# KiCad board pi60_v1.1.kicad_pcb (continued)
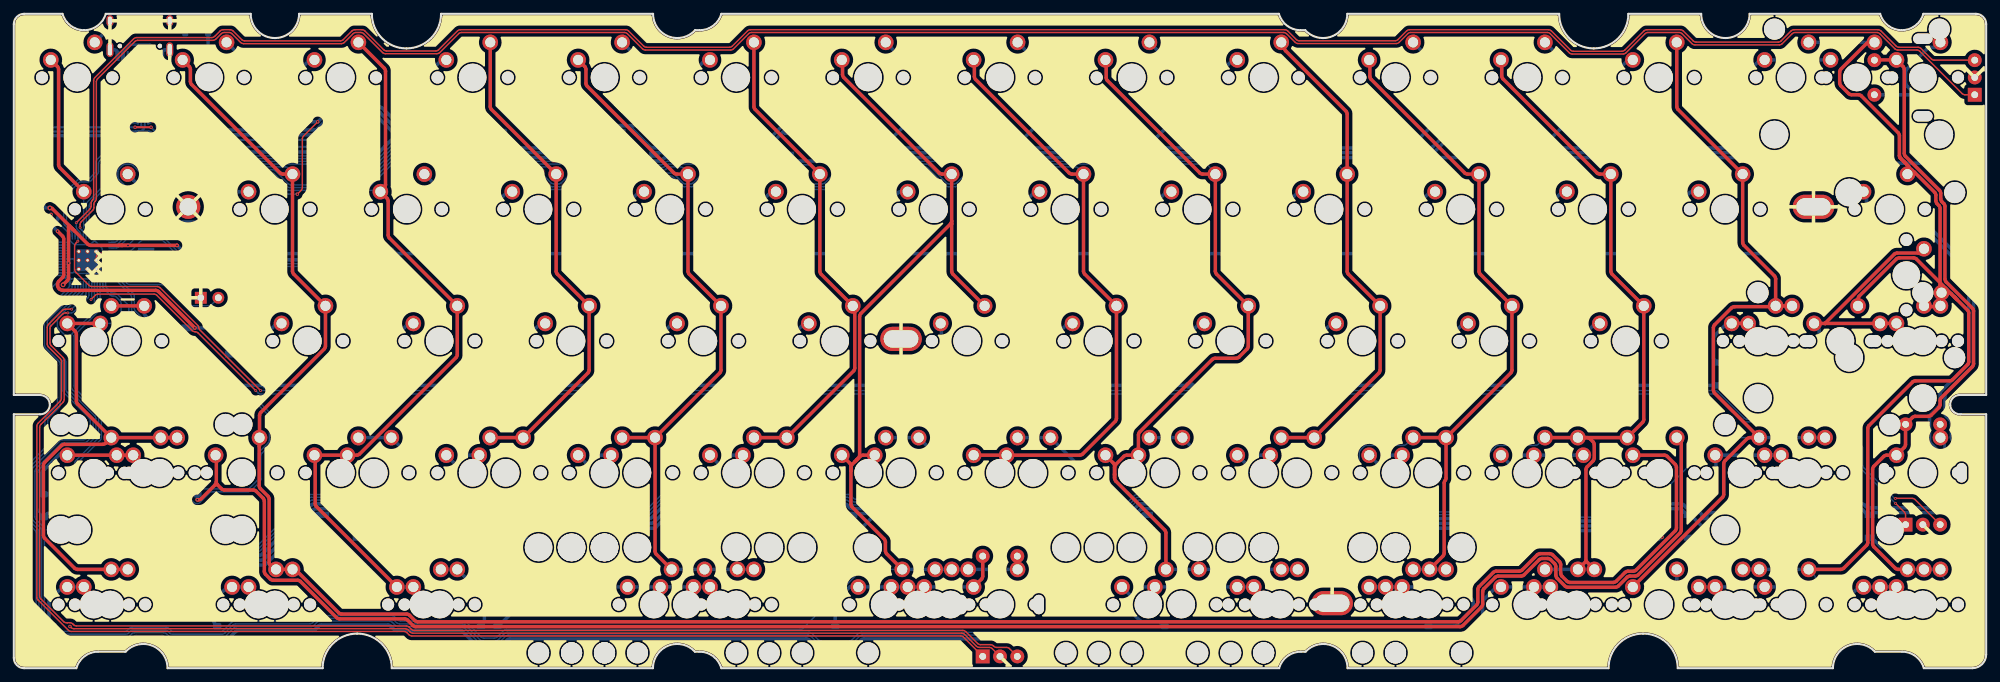
[diagram p0: board, top side]
## Routing (per net, layer and track width the routed paths; a pad name or vN(x,y) marks a point on that pad's centre or on a via; arc(x,y) is an arc through that point) (continued)
/QSPI_SD2: length 7.4
  Bottom w0.2: U2.3 2.93,64.66 arc(2.93,64.67) 2.94,64.69 arc(2.95,64.7) 2.97,64.7 3.7,64.7 arc(3.84,64.64) 3.9,64.5 3.9,63.15 arc(3.94,62.94) 4.06,62.77 5.9,60.93 arc(6.08,60.81) 6.29,60.77 U1.54
/QSPI_SD3: length 5.9
  Bottom w0.2: U1.51 5.79,59.57 arc(5.58,59.61) 5.41,59.73 4.52,60.61 arc(4.35,60.73) 4.14,60.77 3.08,60.77 arc(2.87,60.81) 2.69,60.93 2.59,61.04 arc(2.47,61.21) 2.43,61.42 U2.7
/QSPI_SS: length 8.8
  Bottom w0.2: U1.56 6.62,61.57 arc(6.41,61.61) 6.23,61.73 4.86,63.1 arc(4.74,63.27) 4.7,63.48 4.7,64.8 arc(4.66,65.01) 4.54,65.19 4.39,65.34 arc(4.21,65.46) 4.01,65.5 2.85,65.5 arc(2.64,65.46) 2.46,65.34 2.09,64.96 arc(1.97,64.79) 1.93,64.58 U2.1
/RUN: length 17.8
  Bottom w0.2: U1.26 14.59,57.17 arc(14.8,57.12) 14.97,57.01 16.37,55.61 arc(16.55,55.49) 16.76,55.45 21.52,55.45 arc(21.72,55.41) 21.9,55.29 24.63,52.56 arc(24.81,52.44) 25.02,52.4 28.18,52.4 arc(28.38,52.44) 28.56,52.56 J3.2
/SCL: length 38.7
  Bottom w0.2: 19.44,61.85 19.3,61.85 ; 19.44,61.85 19.69,61.85 ; 19.44,61.85 arc(19.43,61.85) 19.43,61.85 ; 49.23,55.33 46.64,57.92 arc(46.47,58.03) 46.26,58.08 25.51,58.08 arc(25.3,58.12) 25.13,58.23 21.94,61.42 arc(21.94,61.42) 21.94,61.42 arc(21.94,61.42) 21.94,61.42 21.67,61.69 arc(21.5,61.8) 21.29,61.85 19.69,61.85 ; 19.69,61.85 19.43,61.85 ; 19.43,61.85 18.67,61.85 arc(18.46,61.8) 18.29,61.69 17.13,60.53 arc(16.95,60.41) 16.74,60.37 U1.18
/SDA: length 40.5
  Bottom w0.2: 19.64,63.6 19.17,63.6 ; 19.64,63.6 19.96,63.6 ; 19.64,63.6 arc(19.58,63.6) 19.52,63.6 ; 19.17,63.6 19.52,63.6 ; 19.17,63.6 18.1,63.6 arc(17.89,63.56) 17.71,63.44 15.19,60.93 arc(15.02,60.81) 14.81,60.77 U1.17 ; 19.52,63.6 20.32,63.6 25.29,58.63 arc(25.47,58.52) 25.68,58.47 46.62,58.47 arc(46.83,58.43) 47.01,58.32 48.84,56.49 arc(49.01,56.37) 49.22,56.33 J1.3
/XIN: length 4.5
  Bottom w0.2: 18.15,60.57 17.3,59.73 arc(17.12,59.61) 16.91,59.57 U1.20
/XOUT: length 4.4
  Bottom w0.2: 18.15,58.17 17.32,59.01 arc(17.14,59.12) 16.93,59.17 U1.21
B_1: length 319.9
  Top w0.5: 121.86,30.19 122.06,30.38 arc(122.17,30.56) 122.22,30.77 122.22,50.87 arc(122.26,51.08) 122.37,51.25 135.36,64.24 ; 121.86,30.19 121.53,29.86 ; 121.86,30.19 arc(121.82,30.15) 121.78,30.11 ; 120.96,28.54 120.96,28.89 ; 120.96,28.54 120.96,23.7 arc(121,23.49) 121.12,23.32 125.78,18.65 arc(125.9,18.47) 125.94,18.26 125.94,16.93 arc(125.99,16.72) 126.1,16.55 K92.2 ; 120.96,28.54 120.96,29.01 ; 120.96,28.89 120.96,29.06 arc(121,29.27) 121.12,29.44 121.53,29.86 ; 120.96,28.89 arc(120.96,28.95) 120.96,29.01 ; 135.36,64.24 arc(135.46,64.28) 135.52,64.23 ; 135.36,64.24 arc(135.47,64.41) 135.52,64.63 ; 121.53,29.86 121.78,30.11 ; K57.1 122.69,30.79 arc(122.48,30.75) 122.3,30.63 121.78,30.11 ; 135.52,64.23 135.52,57.37 arc(135.56,57.16) 135.68,56.98 K38.2 ; 135.52,64.23 135.52,64.63 ; 135.52,64.63 K23.2 134.12,71.43 arc(133.91,71.47) 133.74,71.59 119.9,85.42 arc(119.79,85.6) 119.75,85.8 119.75,87.84 ; 120.96,29.01 120.96,29.25 arc(120.92,29.46) 120.8,29.63 K105.1
  Bottom w0.2: K92.2 122.77,14.28 arc(122.56,14.24) 122.39,14.12 114.01,5.75 arc(113.84,5.63) 113.63,5.59 71.14,5.59 arc(70.93,5.55) 70.75,5.43 69.82,4.5 arc(69.64,4.38) 69.43,4.34 67.92,4.34 arc(67.71,4.38) 67.53,4.5 65.38,6.65 arc(65.2,6.77) 65,6.81 55.87,6.81 arc(55.66,6.85) 55.48,6.97 55.01,7.44 arc(54.83,7.56) 54.62,7.6 43.86,7.6 arc(43.65,7.56) 43.47,7.44 43,6.97 arc(42.83,6.85) 42.62,6.81 31.88,6.81 arc(31.67,6.77) 31.49,6.65 30.31,5.47 arc(30.13,5.35) 29.93,5.31 23.07,5.31 arc(22.86,5.35) 22.68,5.47 22.38,5.76 arc(22.21,5.88) 22,5.92 17.09,5.92 arc(16.89,5.88) 16.71,5.76 16.41,5.47 arc(16.23,5.35) 16.03,5.31 4.72,5.31 arc(4.61,5.33) 4.51,5.39 arc(4.45,5.49) 4.43,5.61 4.43,20.05 arc(4.38,20.26) 4.27,20.43 3.21,21.5 arc(3.09,21.67) 3.05,21.88 3.05,28.47 arc(3.09,28.68) 3.21,28.85 6.81,32.46 arc(6.98,32.57) 7.19,32.61 10.21,32.61 arc(10.41,32.66) 10.59,32.77 11.29,33.47 arc(11.41,33.65) 11.45,33.86 11.45,35.93 arc(11.41,36.14) 11.29,36.31 7.66,39.94 arc(7.55,40.11) 7.51,40.32 7.51,44.29 arc(7.46,44.5) 7.35,44.67 5.39,46.63 arc(5.27,46.81) 5.23,47.02 5.23,49.83 arc(5.27,50.04) 5.39,50.22 9.49,54.32 arc(9.61,54.5) 9.65,54.71 U1.38
  Bottom w0.5: 145.04,16.16 K79.2 K92.2
B_2: length 14.7
  Bottom w0.5: D50.2 134.51,25.48 arc(134.63,25.66) 134.67,25.86 134.67,29.19 arc(134.63,29.4) 134.51,29.57 K57.2 K105.2
Backspace1: length 16.2
  Bottom w0.5: 252.32,87.94 250.51,86.13 arc(250.39,85.95) 250.35,85.74 250.35,83.01 arc(250.39,82.81) 250.51,82.63 D14.2 ; K15.1 K14.1
C0: length 27.6
  Top w0.5: K1.1 6.31,86.97 arc(6.42,86.8) 6.47,86.59 6.47,72.75 arc(6.51,72.54) 6.63,72.37 K17.1
  Bottom w0.2: 10.09,68.88 10.09,63.86 arc(10.13,63.65) 10.25,63.47 10.29,63.43 arc(10.41,63.25) 10.45,63.04 U1.7
C1: length 364.9
  Top w0.5: K2.1 25.36,86.97 arc(25.47,86.8) 25.52,86.59 25.52,84.78 arc(25.56,84.58) 25.68,84.4 38.49,71.59 arc(38.66,71.47) 38.87,71.43 K18.2 40.27,57.37 arc(40.31,57.16) 40.43,56.98 K33.2 45.03,46.54 arc(44.99,46.33) 44.87,46.15 35.66,36.95 arc(35.54,36.77) 35.5,36.56 K52.2 35.5,32.19 arc(35.5,32.16) 35.48,32.13 arc(35.46,32.11) 35.46,32.08 35.46,26.35 arc(35.5,26.14) 35.62,25.96 36.74,24.84 arc(36.85,24.67) 36.9,24.46 36.9,15.23 arc(36.94,15.02) 37.06,14.85 37.53,14.37 arc(37.63,14.3) 37.75,14.28 40.46,14.28 arc(40.65,14.24) 40.8,14.14 46.96,7.98 arc(47.13,7.87) 47.34,7.82 56.78,7.82 arc(56.99,7.78) 57.16,7.67 57.96,6.87 arc(58.14,6.75) 58.35,6.71 208.72,6.71 arc(208.93,6.75) 209.1,6.87 211.39,9.15 arc(211.5,9.33) 211.55,9.53 211.55,11.39 arc(211.59,11.59) 211.71,11.77 213.79,13.86 arc(213.97,13.97) 214.17,14.01 217.53,14.01 arc(217.74,14.06) 217.92,14.17 220.14,16.4 arc(220.32,16.51) 220.52,16.55 221.96,16.55 arc(222.17,16.51) 222.34,16.4 223.36,15.38 arc(223.47,15.2) 223.52,15 223.52,13.71 arc(223.56,13.5) 223.68,13.33 224.45,12.55 arc(224.62,12.44) 224.83,12.39 231.15,12.39 arc(231.36,12.44) 231.54,12.55 232.84,13.86 arc(233.02,13.97) 233.22,14.01 234.01,14.01 arc(234.22,14.06) 234.4,14.17 240.09,19.86 arc(240.2,20.04) 240.24,20.25 240.24,29.06 arc(240.2,29.27) 240.09,29.44 238.9,30.63 arc(238.72,30.75) 238.51,30.79 K112.1
  Bottom w0.2: 40.27,71.68 39.63,72.32 arc(39.46,72.44) 39.25,72.48 30.05,72.48 arc(29.84,72.44) 29.67,72.32 28.29,70.94 arc(28.11,70.82) 27.9,70.78 21.61,70.78 arc(21.4,70.82) 21.22,70.94 17.86,74.29 arc(17.69,74.41) 17.48,74.45 15.43,74.45 arc(15.22,74.41) 15.04,74.29 13.59,72.84 arc(13.47,72.66) 13.43,72.46 13.43,70.37 arc(13.47,70.16) 13.59,69.99 16.1,67.48 arc(16.22,67.3) 16.26,67.1 16.26,65.6 arc(16.22,65.4) 16.1,65.22 14.98,64.1 arc(14.8,63.98) 14.59,63.94 12.91,63.94 arc(12.7,63.9) 12.52,63.78 12.21,63.47 arc(12.09,63.29) 12.05,63.08 U1.11
C2: length 160.2
  Top w0.5: K70.1 43.71,23.38 arc(43.59,23.56) 43.55,23.77 43.55,30.61 arc(43.53,30.68) 43.49,30.74 arc(43.49,30.77) 43.52,30.79 K53.1 49.56,30.79 arc(49.77,30.83) 49.95,30.95 63.92,44.92 arc(64.04,45.1) 64.08,45.31 K34.2 54.25,62.21 arc(54.13,62.38) 54.09,62.59 54.09,67.54 arc(54.05,67.75) 53.93,67.92 53.11,68.75 arc(53.05,68.89) 53.11,69.03 53.55,69.47 arc(53.66,69.65) 53.71,69.85 53.71,86.34 arc(53.66,86.55) 53.55,86.72 K3.2
  Bottom w0.2: U1.14 13.25,62.09 arc(13.26,62.04) 13.29,62 arc(13.33,61.98) 13.38,61.97 14.31,61.97 arc(14.52,62.01) 14.7,62.13 17.3,64.72 arc(17.41,64.9) 17.46,65.11 17.46,67.59 arc(17.41,67.8) 17.3,67.98 14.79,70.48 arc(14.67,70.66) 14.63,70.87 14.63,71.96 arc(14.67,72.17) 14.79,72.34 15.54,73.09 arc(15.71,73.21) 15.92,73.25 16.98,73.25 arc(17.19,73.21) 17.37,73.09 20.72,69.74 arc(20.9,69.62) 21.11,69.58 28.4,69.58 arc(28.61,69.62) 28.78,69.74 30.16,71.12 arc(30.34,71.24) 30.55,71.28 37.05,71.28 arc(37.26,71.24) 37.43,71.12 39.31,69.24 arc(39.49,69.12) 39.7,69.08 52.78,69.08
  Bottom w0.5: K78.1 K70.1
C3: length 157.1
  Top w0.5: K102.2 K54.2 82.97,42.7 arc(83.09,42.87) 83.13,43.08 83.13,52.38 78.53,56.98 arc(78.41,57.16) 78.37,57.37 K20.2 69,80.8 arc(68.88,80.97) 68.84,81.18 K4.2
  Bottom w0.2: 78.37,71.47 77.52,72.32 arc(77.34,72.44) 77.13,72.48 72.76,72.48 arc(72.55,72.44) 72.38,72.32 72.19,72.14 arc(72.02,72.02) 71.81,71.98 65.34,71.98 arc(65.13,72.02) 64.95,72.14 61.57,75.52 arc(61.4,75.64) 61.19,75.68 56,75.68 arc(55.79,75.64) 55.62,75.52 50.93,70.84 arc(50.76,70.72) 50.55,70.68 45.53,70.68 arc(45.32,70.72) 45.15,70.84 42.87,73.12 arc(42.69,73.23) 42.48,73.28 29.72,73.28 arc(29.51,73.23) 29.34,73.12 27.96,71.74 arc(27.78,71.62) 27.57,71.58 21.94,71.58 arc(21.73,71.62) 21.55,71.74 18.2,75.09 arc(18.02,75.21) 17.81,75.25 15.1,75.25 arc(14.89,75.21) 14.71,75.09 12.79,73.17 arc(12.67,73) 12.63,72.79 12.63,69.63 arc(12.59,69.42) 12.47,69.24 10.65,67.42 arc(10.53,67.24) 10.49,67.03 10.49,64.02 arc(10.53,63.81) 10.65,63.64 10.69,63.59 arc(10.81,63.42) 10.85,63.21 U1.8
C4: length 210.6
  Top w0.5: K5.1 82.51,86.97 arc(82.62,86.8) 82.67,86.59 82.67,84.55 arc(82.71,84.34) 82.83,84.17 95.4,71.59 arc(95.58,71.47) 95.79,71.43 K21.2 97.42,57.37 arc(97.46,57.16) 97.58,56.98 K36.2 102.18,43.08 arc(102.14,42.87) 102.02,42.7 K55.2 ; K55.2 K103.2 ; K55.2 92.65,16.89 arc(92.69,16.68) 92.81,16.5 K91.2
  Bottom w0.2: U1.9 11.25,63.37 arc(11.21,63.58) 11.09,63.76 11.05,63.8 arc(10.93,63.98) 10.89,64.19 10.89,66.87 arc(10.93,67.08) 11.05,67.25 12.87,69.08 arc(12.99,69.26) 13.03,69.46 13.03,72.62 arc(13.07,72.83) 13.19,73.01 14.88,74.69 arc(15.05,74.81) 15.26,74.85 17.65,74.85 arc(17.85,74.81) 18.03,74.69 21.39,71.34 arc(21.56,71.22) 21.77,71.18 27.74,71.18 arc(27.95,71.22) 28.12,71.34 29.5,72.72 arc(29.68,72.83) 29.89,72.88 42.32,72.88 arc(42.53,72.83) 42.7,72.72 44.98,70.44 arc(45.16,70.32) 45.37,70.28 50.71,70.28 arc(50.92,70.32) 51.1,70.44 55.78,75.12 arc(55.96,75.24) 56.17,75.28 61.02,75.28 arc(61.23,75.24) 61.41,75.12 64.79,71.74 arc(64.97,71.62) 65.17,71.58 71.97,71.58 arc(72.18,71.62) 72.36,71.74 72.54,71.92 arc(72.72,72.04) 72.93,72.08 75.48,72.08 arc(75.69,72.04) 75.86,71.92 77.62,70.16 arc(77.79,70.05) 78,70.01 78.73,70.01 arc(78.94,70.05) 79.12,70.16 81.27,72.32 arc(81.44,72.44) 81.65,72.48 87.33,72.48 arc(87.54,72.44) 87.71,72.32 87.89,72.14 arc(88.07,72.02) 88.28,71.98 93.85,71.98 arc(94.06,72.02) 94.23,72.14 94.42,72.32 arc(94.59,72.44) 94.8,72.48 96.33,72.48 arc(96.54,72.44) 96.72,72.32 97.42,71.62
  Bottom w0.5: K91.2 K95.2 K97.2
C5: length 199.6
  Top w0.5: K104.2 K56.2 121.36,42.98 arc(121.47,43.16) 121.52,43.37 121.52,51.89 arc(121.48,52.08) 121.37,52.24 116.63,56.98 arc(116.51,57.16) 116.47,57.37 K22.2 107.1,80.8 arc(106.98,80.97) 106.94,81.18 K6.2
  Bottom w0.2: K22.2 115.28,72.62 arc(115.1,72.73) 114.89,72.78 112.95,72.78 arc(112.74,72.82) 112.56,72.94 112.38,73.12 arc(112.21,73.23) 112,73.28 94.47,73.28 arc(94.26,73.23) 94.08,73.12 93.9,72.94 arc(93.73,72.82) 93.52,72.78 88.61,72.78 arc(88.4,72.82) 88.23,72.94 88.04,73.12 arc(87.87,73.23) 87.66,73.28 72.43,73.28 arc(72.22,73.23) 72.04,73.12 71.86,72.94 arc(71.69,72.82) 71.48,72.78 65.67,72.78 arc(65.46,72.82) 65.29,72.94 61.9,76.32 arc(61.73,76.43) 61.52,76.48 55.67,76.48 arc(55.46,76.43) 55.28,76.32 50.6,71.64 arc(50.43,71.52) 50.22,71.48 45.86,71.48 arc(45.66,71.52) 45.48,71.64 43.2,73.92 arc(43.02,74.03) 42.81,74.07 29.39,74.07 arc(29.18,74.03) 29.01,73.92 27.63,72.53 arc(27.45,72.42) 27.24,72.38 22.27,72.38 arc(22.06,72.42) 21.88,72.53 18.53,75.89 arc(18.35,76.01) 18.14,76.05 14.76,76.05 arc(14.56,76.01) 14.38,75.89 11.99,73.5 arc(11.87,73.33) 11.83,73.12 11.83,71.94 arc(11.79,71.73) 11.67,71.56 10.99,70.87 arc(10.81,70.76) 10.6,70.71 9.57,70.71 arc(9.36,70.67) 9.19,70.55 7.37,68.73 arc(7.25,68.56) 7.21,68.35 7.21,64.41 arc(7.25,64.2) 7.37,64.03 8.29,63.1 arc(8.41,62.93) 8.45,62.72 U1.2
C7: length 254.3
  Top w0.5: 138.8,87.84 138.8,85.52 arc(138.84,85.31) 138.95,85.14 152.5,71.59 arc(152.68,71.47) 152.89,71.43 K24.2 154.57,57.37 arc(154.61,57.16) 154.73,56.98 K39.2 159.33,36.08 arc(159.29,35.87) 159.17,35.69 154.43,30.95 arc(154.25,30.83) 154.04,30.79 K58.1 K106.1
  Bottom w0.2: 154.57,71.53 153.78,72.32 arc(153.61,72.44) 153.4,72.48 142.94,72.48 arc(142.73,72.44) 142.56,72.32 142.37,72.14 arc(142.2,72.02) 141.99,71.98 138.87,71.98 arc(138.66,71.94) 138.48,71.82 136.43,69.77 arc(136.25,69.65) 136.05,69.61 134.99,69.61 arc(134.78,69.65) 134.6,69.77 132.05,72.32 arc(131.87,72.44) 131.66,72.48 120.88,72.48 arc(120.67,72.44) 120.5,72.32 117.55,69.37 arc(117.37,69.25) 117.16,69.21 114.82,69.21 arc(114.62,69.25) 114.44,69.37 111.89,71.92 arc(111.71,72.04) 111.5,72.08 100.87,72.08 arc(100.66,72.04) 100.48,71.92 98.33,69.77 arc(98.15,69.65) 97.95,69.61 96.89,69.61 arc(96.68,69.65) 96.5,69.77 95.25,71.02 arc(95.07,71.14) 94.86,71.18 87.95,71.18 arc(87.74,71.22) 87.56,71.34 87.38,71.52 arc(87.21,71.64) 87,71.68 81.98,71.68 arc(81.78,71.64) 81.6,71.52 79.45,69.37 arc(79.27,69.25) 79.06,69.21 77.67,69.21 arc(77.46,69.25) 77.29,69.37 75.53,71.12 arc(75.36,71.24) 75.15,71.28 73.26,71.28 arc(73.05,71.24) 72.87,71.12 72.69,70.94 arc(72.51,70.82) 72.31,70.78 64.84,70.78 arc(64.63,70.82) 64.46,70.94 61.08,74.32 arc(60.9,74.44) 60.69,74.48 56.5,74.48 arc(56.29,74.44) 56.11,74.32 51.43,69.64 arc(51.25,69.52) 51.05,69.48 39.86,69.48 arc(39.66,69.52) 39.48,69.64 37.6,71.52 arc(37.42,71.64) 37.21,71.68 30.38,71.68 arc(30.18,71.64) 30,71.52 28.62,70.14 arc(28.44,70.02) 28.23,69.98 21.27,69.98 arc(21.07,70.02) 20.89,70.14 17.53,73.49 arc(17.36,73.61) 17.15,73.65 15.76,73.65 arc(15.55,73.61) 15.37,73.49 14.39,72.51 arc(14.27,72.33) 14.23,72.13 14.23,70.7 arc(14.27,70.49) 14.39,70.32 16.9,67.81 arc(17.01,67.63) 17.06,67.43 17.06,65.27 arc(17.01,65.07) 16.9,64.89 15.31,63.3 arc(15.13,63.18) 14.92,63.14 13.14,63.14 arc(13.03,63.12) 12.94,63.06 arc(12.87,62.96) 12.85,62.85 U1.13
C8: length 310.4
  Top w0.5: 157.85,87.84 157.85,85.35 arc(157.89,85.14) 158,84.97 171.38,71.59 arc(171.56,71.47) 171.77,71.43 K25.2 173.62,57.37 arc(173.66,57.16) 173.78,56.98 K40.2 178.38,46.54 arc(178.34,46.33) 178.22,46.15 177.03,44.97 arc(176.85,44.85) 176.65,44.81 173.57,44.81 arc(173.36,44.76) 173.18,44.65 162.66,34.13 arc(162.54,33.95) 162.5,33.74 K59.1 160.79,30.79 arc(160.58,30.75) 160.4,30.63 159.22,29.44 arc(159.1,29.27) 159.06,29.06 159.06,28.05 ; K107.1 158.9,29.63 arc(159.02,29.46) 159.06,29.25 159.06,27.93 ; 159.06,27.58 159.06,27.44 arc(159.1,27.23) 159.22,27.06 166.31,19.96 arc(166.43,19.78) 166.47,19.58 K93.2 ; 159.06,27.58 159.06,28.05 ; 159.06,27.58 159.06,27.93 ; 159.06,27.93 arc(159.06,27.99) 159.06,28.05
  Bottom w0.2: U1.12 12.45,62.92 arc(12.49,63.13) 12.61,63.3 12.69,63.38 arc(12.86,63.5) 13.07,63.54 14.76,63.54 arc(14.97,63.58) 15.14,63.7 16.5,65.05 arc(16.61,65.23) 16.66,65.44 16.66,67.26 arc(16.61,67.47) 16.5,67.65 13.99,70.15 arc(13.87,70.33) 13.83,70.54 13.83,72.29 arc(13.87,72.5) 13.99,72.68 15.21,73.89 arc(15.38,74.01) 15.59,74.05 17.31,74.05 arc(17.52,74.01) 17.7,73.89 21.06,70.54 arc(21.23,70.42) 21.44,70.38 28.07,70.38 arc(28.28,70.42) 28.45,70.54 29.83,71.92 arc(30.01,72.04) 30.22,72.08 37.38,72.08 arc(37.59,72.04) 37.76,71.92 39.64,70.04 arc(39.82,69.92) 40.03,69.88 50.88,69.88 arc(51.09,69.92) 51.27,70.04 55.95,74.72 arc(56.12,74.84) 56.33,74.88 60.86,74.88 arc(61.07,74.84) 61.24,74.72 64.62,71.34 arc(64.8,71.22) 65.01,71.18 72.14,71.18 arc(72.35,71.22) 72.53,71.34 72.71,71.52 arc(72.88,71.64) 73.09,71.68 75.31,71.68 arc(75.52,71.64) 75.7,71.52 77.45,69.77 arc(77.63,69.65) 77.84,69.61 78.9,69.61 arc(79.1,69.65) 79.28,69.77 81.43,71.92 arc(81.61,72.04) 81.82,72.08 87.16,72.08 arc(87.37,72.04) 87.55,71.92 87.73,71.74 arc(87.91,71.62) 88.11,71.58 95.03,71.58 arc(95.24,71.54) 95.41,71.42 96.67,70.16 arc(96.84,70.05) 97.05,70.01 97.78,70.01 arc(97.99,70.05) 98.17,70.16 100.32,72.32 arc(100.49,72.44) 100.7,72.48 111.67,72.48 arc(111.88,72.44) 112.05,72.32 114.6,69.77 arc(114.78,69.65) 114.99,69.61 117,69.61 arc(117.2,69.65) 117.38,69.77 120.33,72.72 arc(120.51,72.83) 120.72,72.88 131.83,72.88 arc(132.04,72.83) 132.21,72.72 134.77,70.16 arc(134.94,70.05) 135.15,70.01 135.88,70.01 arc(136.09,70.05) 136.27,70.16 138.32,72.22 arc(138.49,72.33) 138.7,72.38 141.82,72.38 arc(142.03,72.42) 142.21,72.54 142.39,72.72 arc(142.57,72.83) 142.77,72.88 157.08,72.88 arc(157.29,72.83) 157.46,72.72 157.64,72.54 arc(157.82,72.42) 158.03,72.38 163.25,72.38 arc(163.46,72.42) 163.64,72.54 163.82,72.72 arc(164,72.83) 164.2,72.88 172.13,72.88 arc(172.34,72.83) 172.51,72.72 173.62,71.61
  Bottom w0.5: K93.2 K85.2 K99.2 K96.2
C11: length 382
  Top w0.5: K62.2 K110.2 ; K62.2 K63.2 235.37,35.55 arc(235.49,35.73) 235.53,35.94 K43.2 230.93,56.98 arc(230.81,57.16) 230.77,57.37 K28.2 229.17,71.43 arc(228.96,71.47) 228.78,71.59 215.15,85.22 arc(215.04,85.39) 215,85.6 215,87.84 ; K62.2 227.37,33.33 arc(227.58,33.29) 227.75,33.17 228.21,32.71 arc(228.33,32.53) 228.37,32.33 228.37,30.36 arc(228.33,30.15) 228.21,29.98 227.33,29.09 arc(227.21,28.92) 227.17,28.71 227.17,15.52 ; K80.2 227.15,15.43 arc(227.16,15.45) 227.17,15.47 ; 227.17,15.52 227.17,15.47 ; 227.17,15.52 arc(227.17,15.5) 227.19,15.48 ; 227.19,15.48 K73.2 ; 227.19,15.48 arc(227.18,15.48) 227.17,15.47
  Bottom w0.2: U1.31 12.45,52.05 arc(12.41,51.84) 12.29,51.66 8.7,48.07 arc(8.7,48.07) 8.7,48.07 arc(8.71,48.07) 8.71,48.07 8.71,40.82 arc(8.75,40.61) 8.86,40.43 12.49,36.81 arc(12.61,36.63) 12.65,36.43 12.65,33.36 arc(12.61,33.15) 12.49,32.97 9.35,29.83 arc(9.23,29.66) 9.19,29.45 9.19,25.05 arc(9.23,24.84) 9.35,24.67 13.05,20.97 arc(13.22,20.85) 13.43,20.81 20.01,20.81 arc(20.22,20.85) 20.4,20.97 21.2,21.77 arc(21.32,21.95) 21.36,22.16 21.36,23.01 arc(21.4,23.21) 21.52,23.39 22.08,23.96 arc(22.26,24.07) 22.47,24.12 24.51,24.12 arc(24.72,24.07) 24.9,23.96 25.7,23.15 arc(25.88,23.04) 26.09,22.99 27.28,22.99 arc(27.49,22.95) 27.66,22.83 27.68,22.82 arc(27.8,22.64) 27.84,22.44 27.84,19.08 arc(27.88,18.87) 28,18.7 29.28,17.41 arc(29.46,17.29) 29.67,17.25 35.08,17.25 arc(35.29,17.29) 35.47,17.41 42.61,24.55 arc(42.78,24.67) 42.99,24.71 50.11,24.71 arc(50.32,24.67) 50.49,24.55 52.91,22.13 arc(53.09,22.01) 53.29,21.97 55.83,21.97 arc(56.04,22.01) 56.22,22.13 56.91,22.83 arc(57.09,22.94) 57.3,22.99 58.63,22.99 arc(58.84,22.94) 59.02,22.83 59.71,22.13 arc(59.89,22.01) 60.1,21.97 62.97,21.97 arc(63.18,22.01) 63.36,22.13 64.05,22.83 arc(64.23,22.94) 64.44,22.99 64.78,22.99 arc(64.99,23.03) 65.17,23.15 66.57,24.55 arc(66.75,24.67) 66.96,24.71 72.78,24.71 arc(72.99,24.67) 73.16,24.55 73.54,24.17 arc(73.72,24.05) 73.93,24.01 82.95,24.01 arc(83.16,23.97) 83.33,23.85 84.04,23.15 arc(84.21,23.03) 84.42,22.99 84.83,22.99 arc(85.04,22.94) 85.22,22.83 85.3,22.74 arc(85.48,22.62) 85.69,22.58 91.43,22.58 arc(91.64,22.62) 91.81,22.74 93.62,24.55 arc(93.8,24.67) 94,24.71 100.76,24.71 arc(100.97,24.67) 101.14,24.55 102.55,23.15 arc(102.72,23.03) 102.93,22.99 103.88,22.99 arc(104.09,22.94) 104.27,22.83 104.35,22.75 arc(104.53,22.63) 104.73,22.59 112.27,22.59 arc(112.48,22.63) 112.66,22.75 114.46,24.55 arc(114.64,24.67) 114.84,24.71 120.4,24.71 arc(120.61,24.67) 120.78,24.55 121.16,24.17 arc(121.34,24.05) 121.55,24.01 132.4,24.01 arc(132.61,23.97) 132.78,23.85 133.49,23.15 arc(133.66,23.03) 133.87,22.99 134.83,22.99 arc(135.04,22.94) 135.22,22.83 135.3,22.74 arc(135.48,22.62) 135.69,22.58 137.86,22.58 arc(138.07,22.62) 138.24,22.74 140.05,24.55 arc(140.23,24.67) 140.43,24.71 145.99,24.71 arc(146.2,24.67) 146.37,24.55 146.75,24.17 arc(146.93,24.05) 147.14,24.01 151.46,24.01 arc(151.67,23.97) 151.84,23.85 152.55,23.15 arc(152.72,23.03) 152.93,22.99 153.88,22.99 arc(154.09,22.94) 154.27,22.83 154.35,22.75 arc(154.53,22.63) 154.73,22.59 159.89,22.59 arc(160.1,22.63) 160.28,22.75 162.08,24.55 arc(162.26,24.67) 162.46,24.71 168.02,24.71 arc(168.23,24.67) 168.4,24.55 168.78,24.17 arc(168.96,24.05) 169.17,24.01 170.5,24.01 arc(170.71,23.97) 170.88,23.85 171.59,23.15 arc(171.76,23.03) 171.97,22.99 172.93,22.99 arc(173.14,22.94) 173.32,22.83 173.4,22.75 arc(173.58,22.63) 173.78,22.59 177.89,22.59 arc(178.1,22.63) 178.27,22.75 178.35,22.83 arc(178.53,22.94) 178.74,22.99 180.08,22.99 arc(180.29,22.94) 180.47,22.83 180.55,22.75 arc(180.73,22.63) 180.93,22.59 181.92,22.59 arc(182.13,22.63) 182.31,22.75 184.11,24.55 arc(184.29,24.67) 184.49,24.71 190.05,24.71 arc(190.26,24.67) 190.43,24.55 190.81,24.17 arc(190.99,24.05) 191.2,24.01 191.96,24.01 arc(192.13,23.98) 192.26,23.88 arc(192.4,23.79) 192.57,23.76 196.96,23.76 arc(197.17,23.72) 197.34,23.6 197.8,23.15 arc(197.97,23.03) 198.18,22.99 199.13,22.99 arc(199.34,22.94) 199.52,22.83 199.6,22.75 arc(199.78,22.63) 199.98,22.59 207.52,22.59 arc(207.73,22.63) 207.91,22.75 212.24,27.08 arc(212.35,27.25) 212.4,27.46 212.4,30.08 arc(212.44,30.29) 212.56,30.47 214.14,32.06 arc(214.32,32.17) 214.53,32.21 219.9,32.21 arc(220.11,32.26) 220.29,32.37 K110.2
  Bottom w0.5: K80.2 K87.2
C12: length 423.5
  Top w0.5: K88.1 246.92,24.72 arc(247.03,24.89) 247.08,25.1 247.08,29.57 arc(247.12,29.78) 247.24,29.96 250.45,33.17 arc(250.62,33.29) 250.83,33.33 K67.2 245.74,39.78 arc(245.63,39.96) 245.58,40.17 245.58,49.24 arc(245.63,49.45) 245.74,49.62 248.22,52.1 arc(248.4,52.22) 248.61,52.26 254.38,52.26 arc(254.45,52.28) 254.52,52.32 arc(254.56,52.39) 254.58,52.46 254.58,56.32 arc(254.54,56.52) 254.42,56.7 249.98,61.14 arc(249.86,61.32) 249.82,61.53 K29.2 240.45,80.8 arc(240.33,80.97) 240.29,81.18 K13.2 ; K47.2 254.58,52.38
  Bottom w0.2: U1.32 12.05,52.21 arc(12.01,52) 11.89,51.83 8.46,48.4 arc(8.34,48.22) 8.3,48.01 8.3,44.85 arc(8.3,44.85) 8.3,44.85 arc(8.31,44.85) 8.31,44.84 8.31,40.65 arc(8.35,40.44) 8.46,40.27 12.09,36.65 arc(12.21,36.47) 12.25,36.26 12.25,33.52 arc(12.21,33.32) 12.09,33.14 8.95,30 arc(8.83,29.82) 8.79,29.62 8.79,24.89 arc(8.83,24.68) 8.95,24.5 12.88,20.57 arc(13.06,20.45) 13.26,20.41 20.18,20.41 arc(20.39,20.45) 20.56,20.57 21.6,21.6 arc(21.72,21.78) 21.76,21.99 21.76,22.84 arc(21.8,23.05) 21.92,23.22 22.25,23.56 arc(22.43,23.67) 22.63,23.72 24.35,23.72 arc(24.56,23.67) 24.73,23.56 25.54,22.75 arc(25.72,22.63) 25.93,22.59 27.28,22.59 arc(27.34,22.58) 27.39,22.54 arc(27.43,22.49) 27.44,22.43 27.44,18.92 arc(27.48,18.71) 27.6,18.53 29.12,17.01 arc(29.29,16.89) 29.5,16.85 35.25,16.85 arc(35.46,16.89) 35.63,17.01 42.77,24.15 arc(42.95,24.27) 43.16,24.31 49.94,24.31 arc(50.15,24.27) 50.33,24.15 52.74,21.73 arc(52.92,21.62) 53.13,21.57 56,21.57 arc(56.21,21.62) 56.38,21.73 57.08,22.43 arc(57.25,22.55) 57.46,22.59 58.47,22.59 arc(58.68,22.55) 58.85,22.43 59.55,21.73 arc(59.72,21.62) 59.93,21.57 63.14,21.57 arc(63.35,21.62) 63.52,21.73 64.22,22.43 arc(64.39,22.55) 64.6,22.59 64.95,22.59 arc(65.16,22.63) 65.33,22.75 66.74,24.15 arc(66.91,24.27) 67.12,24.31 72.61,24.31 arc(72.82,24.27) 73,24.15 73.38,23.77 arc(73.55,23.65) 73.76,23.61 82.78,23.61 arc(82.99,23.57) 83.17,23.45 83.87,22.75 arc(84.05,22.63) 84.26,22.59 84.67,22.59 arc(84.88,22.55) 85.05,22.43 85.14,22.34 arc(85.31,22.23) 85.52,22.18 91.59,22.18 arc(91.8,22.23) 91.98,22.34 93.78,24.15 arc(93.96,24.27) 94.17,24.31 100.59,24.31 arc(100.8,24.27) 100.98,24.15 102.38,22.75 arc(102.56,22.63) 102.77,22.59 103.72,22.59 arc(103.93,22.55) 104.1,22.43 104.18,22.35 arc(104.36,22.23) 104.57,22.19 112.44,22.19 arc(112.64,22.23) 112.82,22.35 114.62,24.15 arc(114.8,24.27) 115.01,24.31 120.23,24.31 arc(120.44,24.27) 120.62,24.15 121,23.77 arc(121.17,23.65) 121.38,23.61 132.23,23.61 arc(132.44,23.57) 132.62,23.45 133.32,22.75 arc(133.5,22.63) 133.71,22.59 134.67,22.59 arc(134.88,22.55) 135.05,22.43 135.14,22.34 arc(135.31,22.23) 135.52,22.18 138.02,22.18 arc(138.23,22.23) 138.41,22.34 140.21,24.15 arc(140.39,24.27) 140.6,24.31 145.82,24.31 arc(146.03,24.27) 146.21,24.15 146.59,23.77 arc(146.76,23.65) 146.97,23.61 151.29,23.61 arc(151.5,23.57) 151.68,23.45 152.38,22.75 arc(152.56,22.63) 152.77,22.59 153.72,22.59 arc(153.93,22.55) 154.1,22.43 154.18,22.35 arc(154.36,22.23) 154.57,22.19 160.06,22.19 arc(160.26,22.23) 160.44,22.35 162.24,24.15 arc(162.42,24.27) 162.63,24.31 167.85,24.31 arc(168.06,24.27) 168.24,24.15 168.62,23.77 arc(168.79,23.65) 169,23.61 170.33,23.61 arc(170.54,23.57) 170.72,23.45 171.42,22.75 arc(171.6,22.63) 171.81,22.59 172.77,22.59 arc(172.98,22.55) 173.15,22.43 173.23,22.35 arc(173.41,22.23) 173.62,22.19 178.05,22.19 arc(178.26,22.23) 178.44,22.35 178.52,22.43 arc(178.69,22.55) 178.9,22.59 179.92,22.59 arc(180.13,22.55) 180.3,22.43 180.38,22.35 arc(180.56,22.23) 180.77,22.19 182.09,22.19 arc(182.29,22.23) 182.47,22.35 184.27,24.15 arc(184.45,24.27) 184.66,24.31 189.88,24.31 arc(190.09,24.27) 190.27,24.15 190.65,23.77 arc(190.82,23.65) 191.03,23.61 191.8,23.61 arc(191.96,23.58) 192.1,23.48 arc(192.24,23.39) 192.4,23.36 196.79,23.36 arc(197,23.32) 197.18,23.2 197.63,22.75 arc(197.81,22.63) 198.02,22.59 198.97,22.59 arc(199.18,22.55) 199.35,22.43 199.43,22.35 arc(199.61,22.23) 199.82,22.19 207.69,22.19 arc(207.89,22.23) 208.07,22.35 209.87,24.15 arc(210.05,24.27) 210.26,24.31 216.63,24.31 arc(216.84,24.27) 217.02,24.15 218.42,22.75 arc(218.6,22.63) 218.81,22.59 219.21,22.59 arc(219.42,22.55) 219.59,22.43 220.04,21.98 arc(220.21,21.87) 220.42,21.82 232.73,21.82 arc(232.94,21.87) 233.11,21.98 235.28,24.15 arc(235.46,24.27) 235.66,24.31 236.9,24.31 arc(237.11,24.35) 237.28,24.47 245.99,33.17 arc(246.16,33.29) 246.37,33.33 K67.2
  Bottom w0.5: K67.2 K64.2
C13: length 482.8
  Top w0.5: 273.52,72.83 273.79,72.56 arc(273.9,72.39) 273.95,72.18 273.95,71.75 ; 273.52,72.83 273.27,73.08 ; 273.52,72.83 273.19,73.17 ; K14.2 268.11,90.48 arc(267.9,90.44) 267.72,90.32 263.99,86.59 arc(263.87,86.42) 263.83,86.21 263.83,84.59 arc(263.87,84.38) 263.99,84.21 265.13,83.07 arc(265.31,82.95) 265.52,82.91 266.57,82.91 arc(266.78,82.87) 266.95,82.75 272.31,77.39 arc(272.43,77.22) 272.47,77.01 272.47,74.11 ; 272.47,74.11 arc(272.51,73.9) 272.63,73.73 ; 272.47,74.11 arc(272.49,73.92) 272.55,73.8 ; K89.2 264.02,14.28 arc(264.22,14.32) 264.4,14.44 267.74,17.78 arc(267.85,17.95) 267.9,18.16 267.9,34.68 arc(267.94,34.89) 268.05,35.06 274.37,41.38 arc(274.55,41.5) 274.76,41.54 279.74,41.54 arc(279.95,41.58) 280.13,41.7 282.32,43.89 arc(282.44,44.07) 282.48,44.27 282.48,51.37 arc(282.44,51.58) 282.32,51.75 280.77,53.3 ; 280.77,53.3 280.52,53.55 ; 280.77,53.3 280.44,53.64 ; 280.52,53.55 274.91,59.16 arc(274.74,59.28) 274.53,59.32 272.41,59.32 arc(272.2,59.28) 272.03,59.16 266.64,53.78 arc(266.53,53.6) 266.48,53.39 K45.2 ; 280.52,53.55 arc(280.48,53.59) 280.44,53.64 ; 274.06,71.87 274.28,71.87 arc(274.47,71.83) 274.64,71.72 277.57,68.78 arc(277.69,68.6) 277.73,68.39 277.73,67.55 arc(277.77,67.34) 277.89,67.17 278.19,66.87 arc(278.3,66.7) 278.34,66.49 278.34,54.49 ; 273.27,73.08 272.55,73.8 ; 273.27,73.08 arc(273.23,73.12) 273.19,73.17 ; 278.27,52.26 276.01,52.26 ; 272.55,73.8 arc(272.59,73.76) 272.63,73.73 ; 280.44,53.64 279.95,54.13 arc(279.77,54.24) 279.56,54.28 278.75,54.28 arc(278.61,54.23) 278.55,54.08 278.55,52.54 ; 273.19,73.17 272.63,73.73